# KiCad board FetsAndCrosses.kicad_pcb (continued)
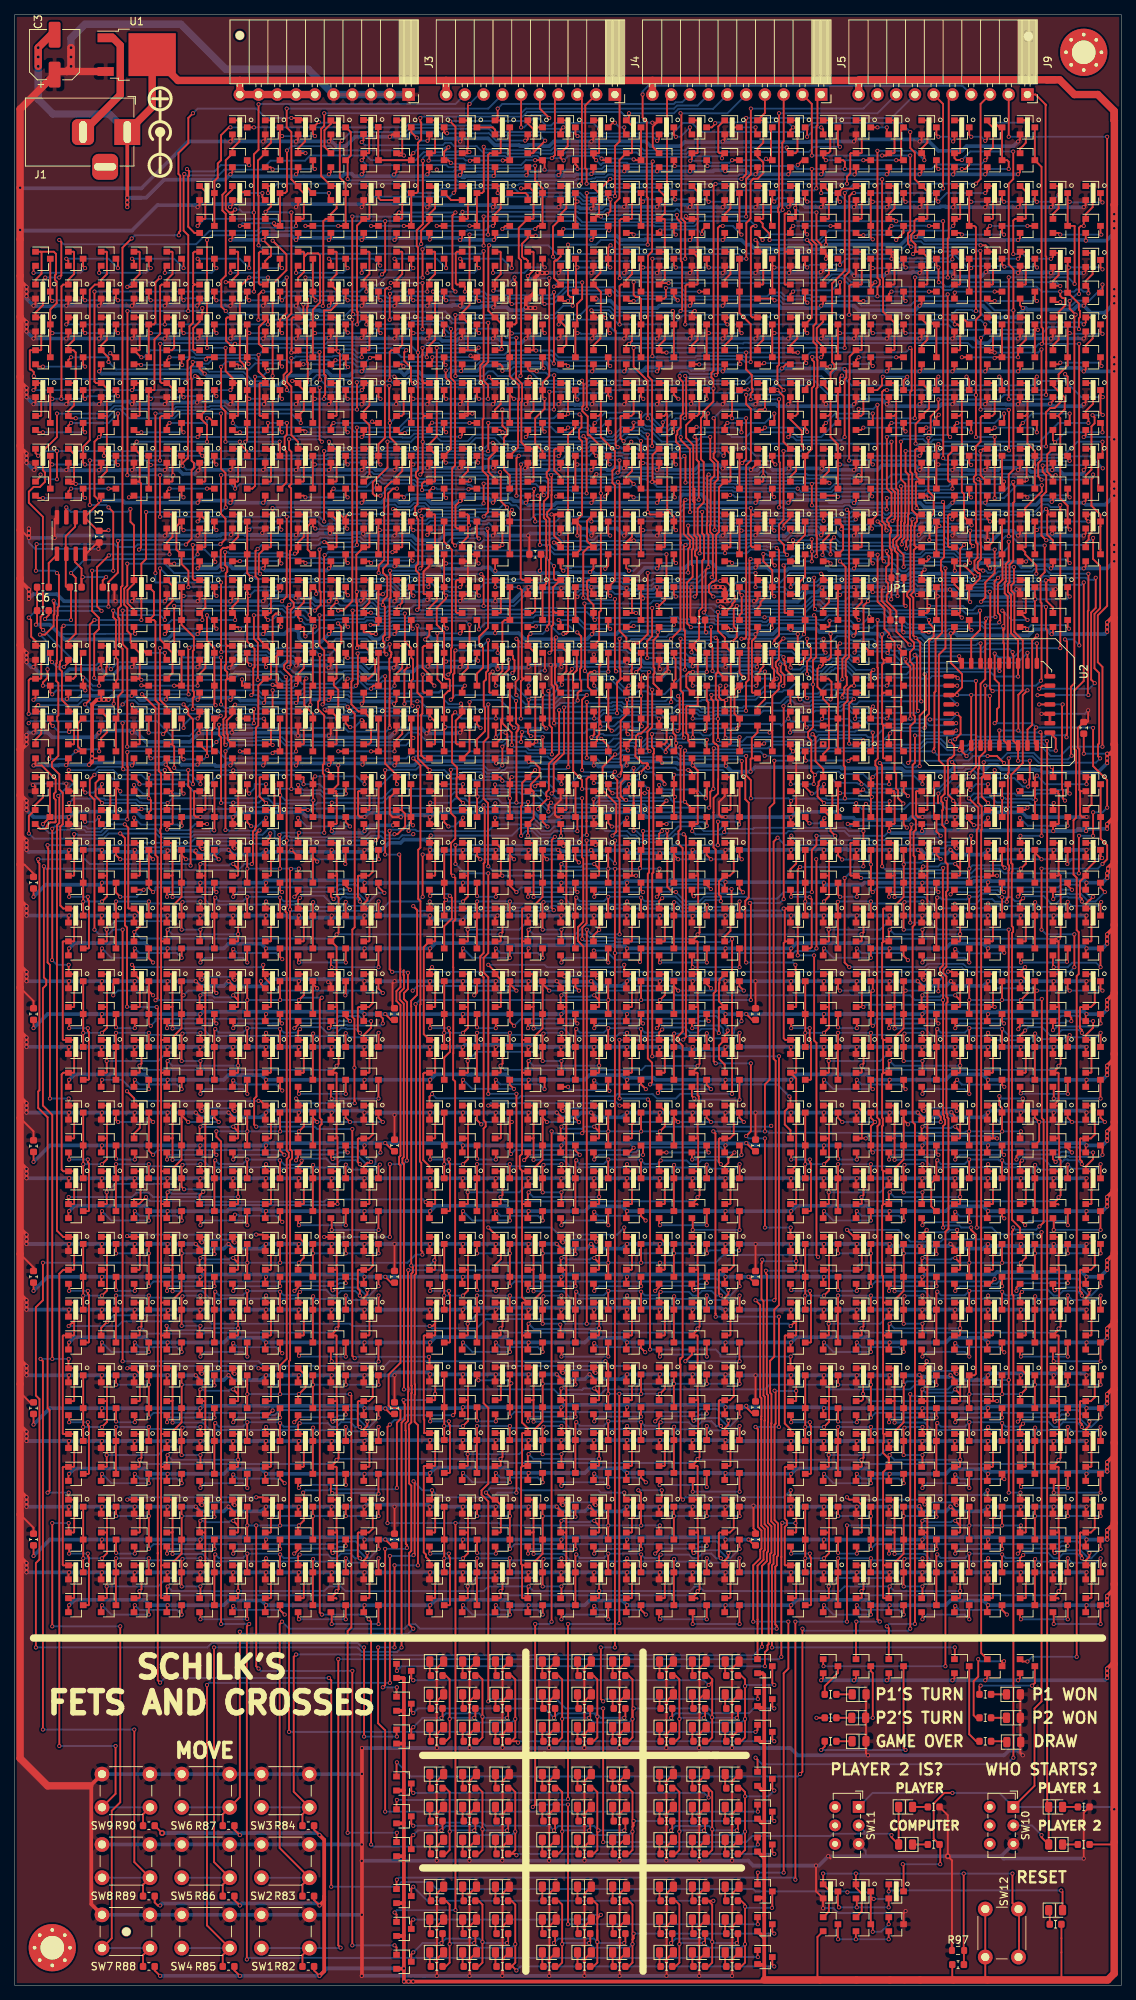
[diagram p0: board, top side]
## Routing (per net, layer and track width the routed paths; a pad name or vN(x,y) marks a point on that pad's centre or on a via; arc(x,y) is an arc through that point) (continued)
/PlayerMoveLegal/Sheet5ED65E75/5: length 25.7
  Top w0.25: Q788.3 Q787.3 84.82,208.99 v1(84.81,209) ; Q804.1 83.52,216.85 83.82,216.55 83.82,212.7 83.52,212.4 Q812.1 82.12,212.4 82.04,212.33 82.04,209.41 v1(82.46,208.99) ; Q790.3 89.27,206.1 v1(89.54,205.83) ; 84.82,206.01 84.85,206.04 v1(85.09,206.04)
  Bottom w0.25: v1(82.46,208.99) 82.98,209.52 84.3,209.52 v1(84.81,209) ; v1(85.09,206.04) 85.48,206.04 85.63,205.89 89.09,205.89 89.15,205.83 v1(89.54,205.83)
/PlayerMoveLegal/Sheet5ED65E75/6: length 43
  Top w0.25: Q815.1 79.08,216.85 79.38,216.55 79.38,212.72 ; Q808.1 79.08,212.4 79.38,212.7 79.38,212.72 ; 79.38,212.72 79.38,209.55 81.28,207.64 81.28,205.34 80.95,205 80.95,203.34 81.28,203.01 81.28,190.13 Q794.3 80.38,188.33 v1(80.65,188.06) ; Q792.3 Q791.3 75.93,188.2 v1(76.2,187.93)
  Bottom w0.25: v1(76.2,187.93) 76.25,187.93 76.71,188.39 77.29,188.39 77.62,188.06 v1(80.65,188.06)
/PlayerMoveLegal/Sheet5ED65E75/7: length 37
  Top w0.25: Q809.1 74.63,216.85 74.93,216.55 v1(74.93,212.7) 74.63,212.4 Q807.1 ; Q795.3 76.84,199.02 76.84,208.97 76.43,209.37 76.43,210.52 76.76,210.85 76.76,212.33 v1(76.49,212.6) ; Q795.3 75.98,198.12 76.63,197.47 76.63,194.32 75.98,193.67 Q796.3 ; Q795.3 76.2,197.85 v1(76.2,196.21) ; Q798.3 80.38,196.48 v1(80.65,196.21)
  Bottom w0.25: v1(80.65,196.21) 78.99,196.21 78.39,195.61 77.82,195.61 77.22,196.21 v1(76.2,196.21) ; v1(74.93,212.7) 76.39,212.7 v1(76.49,212.6)
/PlayerMoveLegal/Sheet5ED65E75/8: length 40.9
  Top w0.25: Q806.1 70.19,185.73 70.48,186.03 70.48,189.88 70.19,190.18 Q803.1 68.79,190.18 68.52,190.45 68.52,201.3 68.55,201.32 68.55,202.22 68.52,202.24 68.52,205.8 v1(68.55,205.83) ; Q799.3 Q800.3 ; Q802.3 80.38,206.05 v1(80.57,205.86) ; v1(76.2,205.83) 76.11,205.83 75.93,206.01
  Bottom w0.25: v1(80.57,205.86) 80.54,205.83 v1(76.2,205.83) 70.83,205.83 70.77,205.77 70.2,205.77 69.87,206.11 68.82,206.11 v1(68.55,205.83)
/PlayerMoveLegal/Sheet5ED65E75/sheet5ED67BE9/sheet5E6DB9E4/A: length 98.5
  Top w0.25: Q822.1 105.05,204.16 105.82,204.94 105.82,207.88 105.75,207.96 Q821.1 104.12,208.89 104.12,215.07 v1(103.29,215.9) Q811.3 ; Q806.3 Q803.3 71.94,189.68 71.94,193.1 72.04,193.19 72.04,194.73 71.97,194.79 71.97,198.28 71.66,198.6 71.66,200.84 72.24,201.42 72.24,201.89 72.26,201.9 72.26,203.88 72.05,204.09 72.05,204.79 72.41,205.15 v1(72.41,215.67) ; Q810.3 89.27,215.25 89.79,214.72 v1(89.88,214.72) ; Q805.3 99.18,215.9 v1(99.27,215.99) ; v1(93.7,214.72) 93.71,214.73 Q816.3 ; v1(80.72,214.83) 80.38,215.18 Q815.3 ; v1(107.6,216.72) 107.05,216.17 Q817.3 ; v1(76.2,214.63) 75.93,214.9 Q809.3 76.02,215.9 ; v1(85.12,214.72) 84.82,215.02 Q804.3
  Bottom w0.25: 93.73,215.9 94.11,215.52 98.41,215.52 98.88,215.99 v1(99.27,215.99) 102.32,215.99 102.87,216.53 ; 93.73,215.9 93.7,215.87 v1(93.7,214.72) ; 93.73,215.9 89.28,215.9 ; 76.6,215.5 79.99,215.5 80.39,215.9 ; 76.6,215.5 76.42,215.5 76.25,215.67 v1(72.41,215.67) ; 76.6,215.5 76.2,215.11 v1(76.2,214.63) ; 84.84,215.9 84.84,215.01 v1(85.12,214.72) ; 84.84,215.9 80.39,215.9 ; 84.84,215.9 89.28,215.9 ; 80.39,215.9 80.72,215.57 v1(80.72,214.83) ; v1(103.29,215.9) 102.87,216.32 102.87,216.53 ; 89.28,215.9 89.28,215.32 v1(89.88,214.72) ; 102.87,216.53 107.41,216.53 v1(107.6,216.72)
/PlayerMoveLegal/sheet5EDA7F4E/0: length 91.6
  Top w0.25: Q715.3 Q716.3 ; Q718.3 142.6,188.23 v1(142.88,187.96) ; v1(120.13,195.03) 120.13,195.53 120.48,195.87 120.48,197.89 120.55,197.96 120.55,199.22 120.62,199.29 120.62,203.23 120.02,203.83 ; Q761.1 145.75,216.85 146.05,216.55 146.05,214.05 145.05,213.05 Q764.1 145.41,212.04 v1(145.41,211.45) ; v1(130.88,187.25) 131.44,187.82 131.44,189.86 132.72,191.13 v1(132.72,194.31) ; 120.23,195 120.09,194.85 ; v1(138.21,187.59) 138.21,188.18 138.16,188.23 ; 120.02,205.74 120.02,208.53 ; 120.02,205.74 120.02,203.83 ; 120.02,205.74 v1(120.02,208.91)
  Bottom w0.25: v1(120.13,195.03) 120.68,195.58 122.55,195.58 123.19,196.21 125.73,196.21 126.36,195.58 130.17,195.58 131.44,194.31 v1(132.72,194.31) ; v1(145.41,211.45) 141.35,211.45 138.81,208.91 125.73,208.91 125.45,209.2 124.41,209.2 124.03,208.82 123.46,208.82 123.01,209.26 120.36,209.26 v1(120.02,208.91) ; v1(130.88,187.25) 137.87,187.25 v1(138.21,187.59) 142.51,187.59 v1(142.88,187.96)
/PlayerMoveLegal/sheet5EDA7F4E/1: length 31.7
  Top w0.25: Q767.3 Q768.3 ; 141.3,212.4 142.21,213.31 142.21,214.92 140.6,216.52 Q755.1 ; 141.3,212.4 Q763.1 ; 141.3,212.4 141.6,212.1 141.6,201.23 142.6,200.23 Q770.3 142.6,197.33 v1(142.9,197.03) ; v1(138.42,196.97) 138.31,196.97 138.16,197.12
  Bottom w0.25: v1(142.9,197.03) 142.63,197.3 138.76,197.3 v1(138.42,196.97)
/PlayerMoveLegal/sheet5EDA7F4E/2: length 23.1
  Top w0.25: Q720.3 Q719.3 138.16,207.66 137.16,208.66 137.16,212.7 ; Q749.1 136.86,216.85 137.16,216.55 137.16,212.7 ; 137.16,212.7 136.86,212.4 Q762.1 ; Q722.3 142.6,206.61 v1(142.88,206.34) ; 138.16,206.01 138.16,205.69 v1(138.01,205.54)
  Bottom w0.25: v1(138.01,205.54) 138.18,205.54 138.93,206.29 142.82,206.29 v1(142.88,206.34)
/PlayerMoveLegal/sheet5EDA7F4E/3: length 43.5
  Top w0.25: Q723.3 Q724.3 ; Q760.1 132.41,216.85 132.72,216.55 132.72,212.7 132.41,212.4 Q758.1 131.01,212.4 130.81,212.2 130.81,208.91 130.17,208.28 130.17,204.41 129.89,204.12 129.89,203.55 130.18,203.26 130.18,197.9 130.19,197.89 130.19,195.28 130.4,195.07 130.4,193.21 129.98,192.8 129.98,191.61 130.44,191.16 130.62,191.16 130.73,191.05 130.73,190.42 129.54,189.23 Q726.3 129.27,187.35 v1(129.39,187.23) ; v1(125,187.98) 125,188.06 124.83,188.23
  Bottom w0.25: v1(125,187.98) 127.24,187.98 127.51,187.71 128.62,187.71 128.75,187.58 128.92,187.58 129.28,187.23 v1(129.39,187.23)
/PlayerMoveLegal/sheet5EDA7F4E/4: length 31.3
  Top w0.25: Q757.1 127.97,212.4 128.27,212.7 128.27,216.55 127.97,216.85 Q754.1 ; Q727.3 Q728.3 ; 124.83,197.12 125.22,197.52 v1(125.23,197.52) ; 128.27,212.72 128.27,202.13 128.56,201.84 128.56,198.78 129.22,198.12 Q730.3 129.27,197.93 v1(129.59,197.6)
  Bottom w0.25: v1(129.59,197.6) 129.28,197.6 129.04,197.37 125.38,197.37 v1(125.23,197.52)
/PlayerMoveLegal/sheet5EDA7F4E/5: length 25.1
  Top w0.25: Q732.3 Q731.3 124.83,208.33 v1(125.1,208.6) ; 124.83,206.01 125,205.83 v1(125.1,205.83) ; Q734.3 129.27,206.04 v1(129.54,205.77) ; Q748.1 123.83,215.85 123.83,213.4 Q756.1 122.83,212.13 122.01,211.31 v1(122.01,208.66)
  Bottom w0.25: v1(125.1,208.6) 124.72,208.22 122.44,208.22 v1(122.01,208.66) ; v1(129.54,205.77) 129.48,205.83 v1(125.1,205.83)
/PlayerMoveLegal/sheet5EDA7F4E/6: length 47.9
  Top w0.25: Q752.1 119.08,212.4 119.38,212.7 ; Q759.1 119.08,216.85 119.38,216.55 119.38,212.7 ; 119.38,212.7 119.38,205.74 ; v1(116.2,188.56) 115.94,188.83 Q738.3 ; 119.38,205.74 119.38,203.83 ; 119.38,205.74 119.38,202.57 119.65,202.3 119.65,198.34 119.58,198.27 119.58,196.25 118.96,195.64 118.96,194.73 119.2,194.5 119.2,194.15 119.57,193.78 v1(119.57,188.03) ; v1(111.76,188.19) 111.49,188.46 Q735.3 Q736.3
  Bottom w0.25: v1(111.76,188.19) 112.13,188.56 v1(116.2,188.56) 118.39,188.56 118.77,188.18 119.42,188.18 v1(119.57,188.03)
/PlayerMoveLegal/sheet5EDA7F4E/7: length 37.7
  Top w0.25: Q753.1 114.64,216.85 114.94,216.55 114.94,212.7 114.64,212.4 Q751.1 114.3,212.77 v1(114.3,213.36) ; Q740.3 111.54,193.67 112.19,194.32 112.19,197.47 111.54,198.12 Q739.3 111.95,197.66 v1(111.95,197.07) ; v1(116.09,197.15) 115.94,197.31 Q742.3 116.84,199.02 v1(116.84,213.9)
  Bottom w0.25: v1(111.95,197.07) 116.01,197.07 v1(116.09,197.15) ; v1(116.84,213.9) 116.3,213.36 v1(114.3,213.36)
/PlayerMoveLegal/sheet5EDA7F4E/8: length 22.4
  Top w0.25: 110.49,212.7 110.19,212.4 Q750.1 ; 110.49,212.7 110.49,215.65 109.49,216.65 Q747.1 ; 110.49,212.7 110.49,209.55 111.49,208.55 Q743.3 Q744.3 ; v1(116.2,205.83) 115.94,206.1 Q746.3 ; v1(111.76,205.83) 111.67,205.83 111.49,206.01
  Bottom w0.25: v1(116.2,205.83) 115.82,205.83 115.73,205.74 112.24,205.74 112.15,205.83 v1(111.76,205.83)
/PlayerMoveLegal/sheet5EDA7F4E/sheet5ED67BE9/sheet5E6DB9E4/A: length 86.1
  Top w0.25: Q765.1 145.75,207.96 145.83,207.88 ; 145.83,207.88 145.83,205.13 145.05,204.36 Q766.1 ; 145.83,207.88 145.83,210.98 146.25,211.4 146.25,212.23 v1(145.98,212.5) ; Q753.3 116.82,215.9 117.45,216.53 117.45,217.6 v1(117.57,217.71) ; Q750.3 Q747.3 111.75,216.16 111.75,217.58 v1(112.03,217.86) ; v1(147.35,212.54) 147.05,212.85 Q761.3 147.05,215.25 v1(147.35,214.95) ; v1(133.35,217.71) 133.72,217.35 Q760.3 ; v1(125.1,217.71) 124.83,217.44 Q748.3 ; Q749.3 138.16,217.44 v1(138.43,217.71) ; v1(120.87,217.7) 120.38,217.21 Q759.3 ; Q754.3 129.27,217.35 v1(128.91,217.71) ; v1(142.26,218.06) 142.6,217.72 Q755.3
  Bottom w0.25: v1(142.26,218.06) 142.26,217.15 142.88,216.53 ; 120.97,216.53 120.97,217.6 v1(120.87,217.7) 120.85,217.71 v1(117.57,217.71) ; 120.97,216.53 113.35,216.53 v1(112.03,217.86) ; 120.97,216.53 125.1,216.53 ; 125.1,216.53 v1(125.1,217.71) ; 125.1,216.53 128.91,216.53 ; 138.43,216.53 133.35,216.53 ; 138.43,216.53 139.03,217.14 142.27,217.14 142.88,216.53 ; 138.43,216.53 v1(138.43,217.71) ; 133.35,216.53 v1(133.35,217.71) ; 133.35,216.53 128.91,216.53 ; 142.88,216.53 144.46,214.95 v1(147.35,214.95) ; v1(147.35,212.54) 147.31,212.5 v1(145.98,212.5) ; 128.91,216.53 v1(128.91,217.71)
/PlayerMoveLegal/Sheet5EDA893C/sheet5EDAA563/sheet5E562435/A: length 21.1
  Top w0.25: v1(51.44,175.89) 51.44,176.57 Q884.1 51.7,177.53 52.48,178.3 52.48,181.21 52.41,181.29 Q883.1 ; Q887.3 Q888.3 48.56,175.89 48.26,175.6 v1(48.26,175.48) ; v1(45.08,176.85) 44.81,176.58 Q885.3 44.57,175.65 44.55,175.65
  Bottom w0.25: v1(45.08,176.85) 46.36,176.85 47.72,175.48 v1(48.26,175.48) ; v1(48.26,175.48) 47.87,175.48 ; v1(48.26,175.48) 51.02,175.48 v1(51.44,175.89)
/PlayerMoveLegal/Sheet5EDA893C/sheet5EDAAE2B/A: length 43.6
  Top w0.25: Q893.1 47.96,190.18 48.04,190.1 48.04,187.16 47.26,186.38 Q894.1 48.19,185.73 v1(48.23,185.77) ; v1(52.83,185.65) 52.83,181.86 53.7,180.99 Q883.3 53.7,179.69 53.94,179.45 53.94,176.78 53.7,176.54 Q884.3 53.7,173.35 v1(53.87,173.18) ; Q837.1 43.52,167.95 43.59,168.03 43.59,171.25 43.52,171.32 43.52,171.75 42.86,172.4 Q838.1 42.11,172.4 41.97,172.54 v1(41.97,172.66)
  Bottom w0.25: v1(48.23,185.77) 48.37,185.63 48.89,185.63 49.19,185.33 50.51,185.33 50.73,185.55 52.73,185.55 v1(52.83,185.65) ; v1(41.97,172.66) 42.21,172.9 44.33,172.9 44.8,172.44 45.37,172.44 45.78,172.84 53.54,172.84 v1(53.87,173.18)
/PlayerMoveLegal/Sheet5EDA893C/sheet5EDAAE2B/sheet5E562435/A: length 20.6
  Top w0.25: Q839.3 Q840.3 v1(48.26,167) ; Q837.3 v1(43.81,167) ; v1(51.44,167) 51.44,167.69 Q836.1 51.7,168.6 52.48,169.38 52.48,172.32 52.41,172.4 Q835.1
  Bottom w0.25: v1(51.44,167) v1(48.26,167) v1(43.81,167)
/PlayerMoveLegal/Sheet5EDA893C/sheet5EDAC22B/A: length 36.8
  Top w0.25: Q901.1 39.07,190.18 39.15,190.1 39.15,187.16 38.37,186.38 Q902.1 ; Q902.1 38.37,185.15 v1(38.73,184.78) ; Q902.1 38.37,185.46 ; v1(40.04,173.31) 40.04,175.56 Q842.3 Q841.3 40.37,183.64 v1(40.64,183.91) ; v1(29.85,173.32) 29.75,173.32 29.48,173.05 Q850.1 29.48,171.94 28.7,171.16 28.7,169.42 28.84,169.28 28.84,168.59 Q849.1
  Bottom w0.25: v1(38.73,184.78) 39.34,184.18 40.37,184.18 v1(40.64,183.91) ; v1(40.04,173.31) 39.51,172.78 33.21,172.78 32.67,173.32 v1(29.85,173.32)
/PlayerMoveLegal/Sheet5EDA893C/sheet5EDAC22B/sheet5E562435/A: length 21.4
  Top w0.25: Q849.3 v1(30.48,167) ; v1(38.1,167) 38.1,167.69 Q848.1 39.07,167.95 39.15,168.03 39.15,172.32 39.07,172.4 Q847.1 ; Q851.3 Q852.3 35.16,167 v1(34.92,166.77)
  Bottom w0.25: v1(30.48,167) 30.75,166.73 34.89,166.73 v1(34.92,166.77) 34.96,166.73 37.83,166.73 v1(38.1,167)
/PlayerMoveLegal/Sheet5EDA893C/sheet5EDAC229/A: length 78.2
  Top w0.25: Q836.3 Q835.3 53.7,169.1 v1(53.98,168.82) ; Q897.1 39.07,199.07 39.15,198.99 39.15,196.05 38.37,195.27 Q898.1 38.37,193.97 38.16,193.76 v1(37.95,193.76) ; Q843.1 28.78,176.84 ; 28.78,176.84 28.57,176.64 28.57,171.67 28.25,171.35 28.25,169.23 28.39,169.1 28.39,168.04 v1(28.55,167.88) ; 28.78,176.84 28.78,177.73 28.47,178.04 28.47,178.64 28.61,178.78 28.61,181.12 28.78,181.29 ; 28.78,181.29 28.57,181.5 28.57,191.13 28.78,191.33 28.78,191.91 28.49,192.2 v1(28.49,193.96) ; 28.78,181.29 Q844.1
  Bottom w0.25: v1(37.95,193.76) 37.8,193.61 37.04,193.61 36.84,193.81 29.03,193.81 28.88,193.96 v1(28.49,193.96) ; v1(28.55,167.88) 29.05,168.37 32.7,168.37 32.79,168.46 36.01,168.46 36.64,167.82 52.99,167.82 v1(53.98,168.82)
/PlayerMoveLegal/Sheet5EDA893C/sheet5EDAC229/sheet5E562435/A: length 21.9
  Top w0.25: Q841.1 39.07,181.29 39.15,181.21 39.15,178.27 38.37,177.5 Q842.1 38.37,176.19 38.16,175.98 v1(38.08,175.98) ; Q843.3 30.78,175.89 30.77,175.9 v1(30.77,176.75) ; Q845.3 35.45,179.87 35.45,176.37 Q846.3 35.04,175.89 v1(34.92,176.01)
  Bottom w0.25: v1(38.08,175.98) 37.68,175.58 35.75,175.58 35.31,176.01 v1(34.92,176.01) 31.51,176.01 v1(30.77,176.75)
/PlayerMoveLegal/Sheet5EDA893C/sheet5EDAD6E0/A: length 75.9
  Top w0.25: Q905.1 30.18,199.07 30.26,198.99 30.26,196.05 29.48,195.27 Q906.1 28.78,194.62 28.71,194.56 28.2,194.56 27.89,194.25 27.89,191.91 v1(28.18,191.62) ; Q848.3 Q847.3 40.37,172.1 39.22,173.25 39.22,176.59 v1(39.49,176.87) ; v1(17.14,176.68) 16.98,176.84 Q855.1 16.85,176.84 16.92,176.92 16.92,180.31 16.14,181.09 Q856.1 15.69,181.74 15.69,182.85 15.24,183.3 15.24,186.44 14.82,186.85 14.82,189.03 15.24,189.45 v1(15.24,192.4)
  Bottom w0.25: v1(28.18,191.62) 27.7,191.13 21.59,191.13 20.32,192.4 v1(15.24,192.4) ; v1(17.14,176.68) 29.54,176.68 30.21,177.35 35.37,177.35 36.25,176.48 36.99,176.48 37.66,177.14 39.22,177.14 v1(39.49,176.87)
/PlayerMoveLegal/Sheet5EDA893C/sheet5EDAD6E0/sheet5E562435/A: length 20.7
  Top w0.25: v1(24.76,175.89) 24.76,176.57 Q854.1 25.04,177.5 25.81,178.27 25.81,181.21 25.74,181.29 Q853.1 ; Q857.3 Q858.3 v1(21.59,175.89) ; v1(17.14,175.93) 17.18,175.89 Q855.3
  Bottom w0.25: v1(24.76,175.89) v1(21.59,175.89) 17.18,175.89 v1(17.14,175.93)
/PlayerMoveLegal/Sheet5EDA893C/sheet5EDAD6E2/A: length 42.6
  Top w0.25: Q862.1 16.85,172.4 16.92,172.32 16.92,168.03 16.85,167.95 Q861.1 ; Q862.1 15.88,172.67 v1(15.88,173.32) ; Q862.1 16.14,172.48 15.88,172.75 ; v1(29.85,184.78) 29.85,185.37 Q910.1 29.48,186.58 30.26,187.35 30.26,190.1 30.18,190.18 Q909.1 ; v1(27.2,173.25) 27.04,173.41 Q854.3 Q853.3 27.04,180.99 26.04,181.99 v1(26.04,185.42)
  Bottom w0.25: v1(15.88,173.32) 16.44,172.75 23.15,172.75 23.72,173.32 27.12,173.32 v1(27.2,173.25) ; v1(26.04,185.42) 26.67,184.78 v1(29.85,184.78)
/PlayerMoveLegal/Sheet5EDA893C/sheet5EDAD6E2/sheet5E562435/A: length 24.6
  Top w0.25: v1(18.42,166.05) 18.14,166.32 Q861.3 ; Q860.1 26.04,166.95 v1(26.04,166.37) 26.04,172.1 25.74,172.4 Q859.1 25.04,171.72 v1(24.76,171.45) ; v1(22.86,170.18) 22.86,171.18 Q863.3 22.86,171.45 ; v1(22.86,165.93) 22.59,166.2 Q864.3
  Bottom w0.25: v1(22.86,170.18) 22.86,170.57 23.74,171.45 v1(24.76,171.45) ; v1(18.42,166.05) 18.8,166.05 18.85,166.1 18.85,166.25 22.53,166.25 v1(22.86,165.93) 25.59,165.93 v1(26.04,166.37)
/PlayerMoveLegal/Sheet5EDA893C/sheet5EDAD6E4/A: length 82.3
  Top w0.25: Q913.1 21.29,199.07 21.37,198.99 21.37,196.05 20.59,195.27 Q914.1 20.96,194.26 v1(20.96,193.67) ; 27.02,170.21 26.7,169.89 26.7,167.34 Q860.3 ; 27.02,170.21 27.02,170.94 27.39,171.31 ; 27.02,170.21 27.02,170.79 27.04,170.8 Q859.3 27.51,171.45 v1(27.88,171.82) ; v1(1.91,185.1) 2.22,184.78 2.22,182.53 2.81,181.94 Q868.1 3.51,181.29 3.59,181.21 3.59,176.92 3.51,176.84 Q867.1 2.11,176.84 1.88,176.62 v1(1.88,172.08) ; v1(11.75,186.02) 11.15,186.62 11.15,191.94 v1(12.73,193.52)
  Bottom w0.25: v1(1.91,185.1) 2.82,186.02 v1(11.75,186.02) ; 27.88,171.8 v1(27.88,171.82) 26.88,171.82 26.62,172.08 v1(1.88,172.08) ; v1(20.96,193.67) 12.89,193.67 v1(12.73,193.52)
/PlayerMoveLegal/Sheet5EDA893C/sheet5EDAD6E4/sheet5E562435/A: length 20.7
  Top w0.25: Q869.3 8.97,180.06 8.97,177.26 v1(9.25,176.99) 9.25,176.98 Q870.3 9.25,175.56 v1(9.56,175.26) ; Q865.1 12.4,181.29 12.48,181.21 12.48,178.46 12.4,178.39 12.4,177.5 11.75,176.84 Q866.1 11.43,176.57 v1(11.43,175.89) ; v1(5.08,174.72) 4.81,174.99 Q867.3
  Bottom w0.25: v1(5.08,174.72) 5.62,175.26 v1(9.56,175.26) ; v1(9.25,176.99) 9.47,176.99 10.57,175.89 v1(11.43,175.89)
/PlayerMoveLegal/Sheet5EDA893C/sheet5EDAD6E6/A: length 44.2
  Top w0.25: Q873.1 2.81,168.6 3.59,169.38 3.59,172.32 3.51,172.4 Q874.1 2.81,173.05 3.02,173.26 v1(3.18,173.26) ; v1(20.32,184.78) 20.32,185.46 Q918.1 20.59,186.58 21.37,187.35 21.37,189.4 Q917.1 ; v1(13.4,173.44) 13.4,175.6 Q866.3 13.7,176.54 13.94,176.78 13.94,179.45 13.7,179.69 Q865.3 13.7,184.8 13.34,185.17 v1(13.34,186.06)
  Bottom w0.25: v1(13.34,186.06) 13.94,185.45 19.65,185.45 v1(20.32,184.78) ; v1(13.4,173.44) 13.23,173.26 10.5,173.26 9.81,173.96 9.24,173.96 8.55,173.26 v1(3.18,173.26)
/PlayerMoveLegal/Sheet5EDA893C/sheet5EDAD6E6/sheet5E562435/A: length 20.8
  Top w0.25: v1(8.25,167) Q876.3 9.21,167 8.55,167.65 8.55,170.8 9.21,171.45 Q875.3 ; v1(11.43,167) 11.43,167.69 Q872.1 11.7,168.8 12.48,169.57 12.48,171.62 Q871.1 ; Q873.3 4.81,166.15 v1(4.63,165.97)
  Bottom w0.25: v1(4.63,165.97) 7.22,165.97 v1(8.25,167) 8.54,167.29 11.15,167.29 v1(11.43,167)
/PlayerMoveLegal/Sheet5EDA893C/sheet5EDF7332/A: length 96.8
  Top w0.25: v1(33.02,235.49) 33.02,242.2 32.94,242.28 32.94,246.98 Q880.1 33.92,248.61 34.7,249.39 34.7,252.33 34.62,252.41 Q879.1 33.92,252.36 ; Q938.3 67.04,193.69 Q937.3 67.04,199.39 v1(67.35,199.69) ; v1(63.51,198.79) 64.1,199.38 64.1,204.25 63.37,204.98 63.37,211.93 63.5,212.06 63.5,216.53 63.05,216.98 63.05,219.26 63.5,219.71 v1(63.5,234.71)
  Bottom w0.25: v1(63.5,234.71) 63.14,234.35 34.16,234.35 v1(33.02,235.49) ; v1(67.35,199.69) 66.44,198.79 v1(63.51,198.79)
/PlayerMoveLegal/Sheet5EDA893C/sheet5EDF7332/B: length 119.4
  Top w0.25: Q872.3 Q871.3 14,171.75 14,174.45 14.61,175.05 14.61,180.87 14.15,181.32 14.15,184.98 14,185.13 14,186.34 14.37,186.71 14.37,189.22 14.59,189.43 14.59,223.85 ; 39.31,252.17 39.31,249.55 38.37,248.61 Q881.1 ; 39.31,252.17 39.07,252.41 Q882.1 ; 39.31,252.17 38.75,252.73 v1(37.47,252.73) ; Q881.1 38.69,248.28 ; Q881.1 38.37,247.97 v1(39.37,247.97) ; v1(15.83,236.42) 14.59,235.17 14.59,223.85 ; 14.59,223.85 14.58,223.85 ; v1(22.22,236.85) 22.22,237.24 22.42,237.43 22.42,244.91 22.17,245.16 22.17,247.98 23.51,249.32 23.51,252.74 v1(24.13,253.36)
  Bottom w0.25: 38.93,248.23 38.94,248.24 39.1,248.24 v1(39.37,247.97) ; 21.59,236.85 v1(22.22,236.85) 16.27,236.85 v1(15.83,236.42) ; v1(24.13,253.36) 24.76,254 32.71,254 33.98,252.73 v1(37.47,252.73)
/PlayerMoveLegal/Sheet5EDA893C/sheet5EDF7332/sheet5E561706/A: length 20.6
  Top w0.25: Q879.3 Q880.3 ; v1(43.81,252.09) 43.18,252.09 42.86,252.41 Q877.1 42.81,251.95 41.94,251.08 41.94,248.84 Q878.1 ; 35.92,250.46 36.1,250.28 v1(36.21,250.28) ; v1(41.17,252.2) 40.43,251.46 Q882.3 40.37,250.57 v1(40.66,250.28)
  Bottom w0.25: v1(41.17,252.2) 41.28,252.09 v1(43.81,252.09) ; v1(36.21,250.28) v1(40.66,250.28)
/PlayerMoveLegal/Sheet5EDA893C/sheet5EE7B32C/0: length 25.4
  Top w0.25: Q889.3 Q890.3 ; v1(61.52,197.6) 61.52,198.84 61.3,199.07 ; 61.3,199.07 61.37,198.99 61.37,196.05 60.59,195.27 Q933.1 ; 61.3,199.07 Q936.1 ; Q892.3 53.7,197.22 v1(53.98,196.94) ; 49.26,197.12 49.43,196.95 v1(49.43,196.95)
  Bottom w0.25: v1(61.52,197.6) 56.32,197.6 55.66,196.94 v1(53.98,196.94) 49.45,196.94 v1(49.43,196.95)
/PlayerMoveLegal/Sheet5EDA893C/sheet5EE7B32C/1: length 35.7
  Top w0.25: v1(53.99,188.07) 53.7,188.36 Q896.3 ; Q893.3 49.26,188.58 49.25,188.57 49.25,185.45 49.26,185.44 Q894.3 ; Q935.1 60.59,177.5 61.37,178.27 61.37,181.21 61.3,181.29 ; 61.3,181.29 61.59,181.59 v1(61.59,184.15) ; 61.3,181.29 Q927.1 ; v1(48.19,184.12) 49.25,184.12 49.26,184.13 Q894.3 ; v1(49.85,188.28) 49.8,188.23 49.26,188.23 49.26,188.34 ; Q894.3 49.53,184.78
  Bottom w0.25: v1(53.99,188.07) 53.71,188.07 53.55,187.91 51.86,187.91 50.94,188.83 50.4,188.83 v1(49.85,188.28) ; v1(61.59,184.15) 61.08,184.67 54.01,184.67 53.46,184.12 51.21,184.12 51.07,183.98 48.63,183.98 48.48,184.12 v1(48.19,184.12)
/PlayerMoveLegal/Sheet5EDA893C/sheet5EE7B32C/2: length 33.8
  Top w0.25: Q898.3 40.32,193.67 39.67,194.32 39.67,197.47 40.32,198.12 Q897.3 40.37,197.5 v1(40.71,197.16) ; v1(45.03,197.15) 44.81,197.36 Q900.3 ; 45.08,198.97 45.02,198.97 44.81,198.77 Q900.3 ; Q900.3 44.81,198.32 v1(43.74,199.39) ; v1(54.83,199.57) 55.11,199.84 56.03,199.84 56.15,199.72 Q934.1 56.85,199.07 56.93,198.99 56.93,194.7 56.85,194.62 Q922.1
  Bottom w0.25: v1(43.74,199.39) 44.02,199.12 54.38,199.12 v1(54.83,199.57) ; v1(40.71,197.16) 40.8,197.07 42.38,197.07 42.46,197.15 v1(45.03,197.15)
/PlayerMoveLegal/Sheet5EDA893C/sheet5EE7B32C/3: length 62.1
  Top w0.25: v1(32.39,185.42) 32.39,182.25 32.93,181.7 32.93,177.08 32.91,177.06 v1(32.91,176.67) ; Q932.1 55.45,181.29 55.25,181.08 55.25,178.3 56.15,177.4 Q930.1 56.15,176.58 v1(56.83,175.89) ; Q904.3 44.81,188.44 v1(45.12,188.13) ; v1(40.82,188.32) 40.82,188.78 Q901.3 40.04,188.9 40.04,185.12 Q902.3
  Bottom w0.25: v1(32.91,176.67) 35.41,176.67 36.06,176.03 37.18,176.03 37.74,176.58 38.46,176.58 38.89,176.15 43.5,176.15 44.8,177.45 46.39,177.45 47.76,176.08 49.4,176.08 49.85,176.53 56.2,176.53 v1(56.83,175.89) ; v1(39.94,185.46) 39.31,186.09 37.96,186.09 37.65,185.79 36.71,185.79 36.22,186.27 35.15,186.27 34.29,185.42 v1(32.39,185.42) ; v1(45.12,188.13) 44.66,188.6 41.1,188.6 v1(40.82,188.32)
/PlayerMoveLegal/Sheet5EDA893C/sheet5EE7B32C/4: length 50.4
  Top w0.25: Q905.3 Q906.3 31.48,191.12 v1(32.01,190.59) ; Q929.1 59.9,185.73 59.73,185.9 59.73,190.02 59.9,190.18 Q926.1 60.59,189.5 v1(60.33,189.23) ; Q908.3 35.92,197.19 v1(36.1,197.01) ; v1(31.76,197.01) 31.59,197.01 31.48,197.12
  Bottom w0.25: v1(31.76,197.01) 32.04,197.29 35.82,197.29 v1(36.1,197.01) ; v1(32.01,190.59) 32.4,190.59 32.66,190.33 51.36,190.33 52.43,189.26 52.99,189.26 53.83,190.1 56.1,190.1 56.97,189.23 v1(60.33,189.23)
/PlayerMoveLegal/Sheet5EDA893C/sheet5EE7B32C/5: length 56.6
  Top w0.25: Q928.1 59.9,167.95 59.72,168.13 59.72,171.16 60.59,172.03 Q921.1 60.59,173.3 v1(60.43,173.46) ; v1(35.95,188.78) 35.92,188.8 Q912.3 ; v1(32.05,174.62) 32.31,174.88 32.31,178.24 32.48,178.42 32.48,180.88 31.48,181.88 Q910.3 31.48,185.44 31.57,185.52 31.57,188.49 31.48,188.58 Q909.3 ; v1(31.76,188.05) 31.66,188.05 31.48,188.23
  Bottom w0.25: v1(31.76,188.05) 32.48,188.78 v1(35.95,188.78) ; v1(32.05,174.62) 33,174.62 33.44,174.17 39.02,174.17 39.5,174.66 45.09,174.66 45.37,174.38 57.77,174.38 58.77,173.39 60.36,173.39 v1(60.43,173.46)
/PlayerMoveLegal/Sheet5EDA893C/sheet5EE7B32C/6: length 57.3
  Top w0.25: v1(27.3,196.95) 27.04,197.22 Q916.3 ; Q924.1 56.15,186.42 57.15,187.42 57.15,189.88 56.85,190.18 Q931.1 56.15,189.39 v1(56.02,189.26) ; 22.77,196.94 v1(22.86,196.94) 22.59,197.21 Q913.3 22.54,198.12 21.89,197.47 21.89,194.32 22.54,193.67 Q914.3 22.59,192.36 23.52,191.43 v1(23.52,189.23)
  Bottom w0.25: v1(27.3,196.95) 27.29,196.94 v1(22.86,196.94) ; v1(23.52,189.23) 35.52,189.23 36.17,189.88 51.16,189.88 52.23,188.81 53.18,188.81 53.9,189.53 55.75,189.53 v1(56.02,189.26)
/PlayerMoveLegal/Sheet5EDA893C/sheet5EE7B32C/7: length 62.9
  Top w0.25: Q917.3 Q918.3 22.59,184.13 24.26,182.47 24.26,180.74 24.12,180.6 24.12,175.21 24.26,175.07 24.26,174.37 24.11,174.22 v1(24.11,172.72) ; v1(22.87,188.05) 22.77,188.05 22.59,188.23 ; Q923.1 56.85,167.95 56.93,168.03 56.93,171.04 56.15,171.81 Q925.1 56.26,172.29 v1(56.26,171.45) ; Q920.3 27.04,188.34 v1(27.32,188.05)
  Bottom w0.25: v1(22.87,188.05) v1(27.32,188.05) ; v1(56.26,171.45) 55.88,171.83 46.18,171.83 45.88,171.54 42.2,171.54 41.66,172.07 29.22,172.07 28.87,172.42 27.14,172.42 26.84,172.72 v1(24.11,172.72)
/PlayerMoveLegal/Sheet5EDA893C/sheet5EE7B32C/sheet5EE76842/A: length 67.3
  Top w0.25: v1(62.82,192.44) 62.59,192.66 Q933.3 61.9,193.67 61.76,193.81 v1(61.76,194.8) ; v1(58.42,192.44) 58.15,192.71 Q922.3 Q931.3 58.15,188.36 v1(58.42,188.09) 58.42,187.7 57.15,186.43 57.15,184.15 58.15,183.15 Q932.3 ; v1(62.87,188.09) 62.59,188.36 Q926.3 ; 58.15,169.91 Q925.3 58.15,174.61 58.71,175.17 58.86,175.17 58.93,175.23 58.92,176.66 58.79,176.79 58.43,176.79 58.12,177.1 58.12,179.66 58.15,179.69 Q932.3 ; 58.15,169.91 58.31,170.07 v1(58.31,170.29) ; 58.15,169.91 Q923.3 ; Q932.3 58.15,179.42 v1(58.41,179.16) ; Q937.1 65.74,199.07 66.04,198.77 v1(66.04,194.94) 65.72,194.62 Q938.1 ; v1(63.08,170.18) 62.59,170.67 Q921.3 ; v1(62.75,179.28) 62.59,179.43 Q927.3
  Bottom w0.25: v1(66.04,194.94) 65.65,194.94 65.41,194.71 61.85,194.71 v1(61.76,194.8) ; v1(62.82,192.44) v1(58.42,192.44) ; v1(58.42,188.09) v1(62.87,188.09) ; v1(62.75,179.28) 58.53,179.28 v1(58.41,179.16) ; v1(63.08,170.18) 62.98,170.29 v1(58.31,170.29)
/PlayerMoveLegal/sheet5EE55524/A: length 26.3
  Top w0.25: Q822.3 Q821.3 107.95,207.91 107.95,216.15 108.26,216.47 108.26,219.73 108,219.99 v1(108,220.38) ; Q829.1 109.49,220.61 v1(109.22,220.34) ; Q829.1 109.49,221.34 109.22,221.61 ; Q829.1 109.49,221.73 108.62,222.6 108.62,224.28 109.49,225.15 Q827.1
  Bottom w0.25: v1(108,220.38) 108.04,220.34 v1(109.22,220.34)
/PlayerMoveLegal/sheet5EE55524/B: length 63.7
  Top w0.25: Q828.1 114.64,225.74 114.71,225.66 114.71,221.37 114.64,221.29 Q830.1 113.08,220.44 113.08,217.38 113.01,217.32 v1(113.01,206.38) ; Q766.3 146.75,202.86 146.75,206.71 Q765.3 147.32,207.01 v1(147.32,208.91)
  Bottom w0.25: v1(113.01,206.38) 113.07,206.43 116.49,206.43 116.55,206.38 124.54,206.38 125.46,207.29 130.27,207.29 130.52,207.04 138.41,207.04 138.55,207.19 142.2,207.19 143.93,208.91 v1(147.32,208.91)
